# Altium PCB waffling60-SE.PcbDoc (part 1 of 2) (continued)
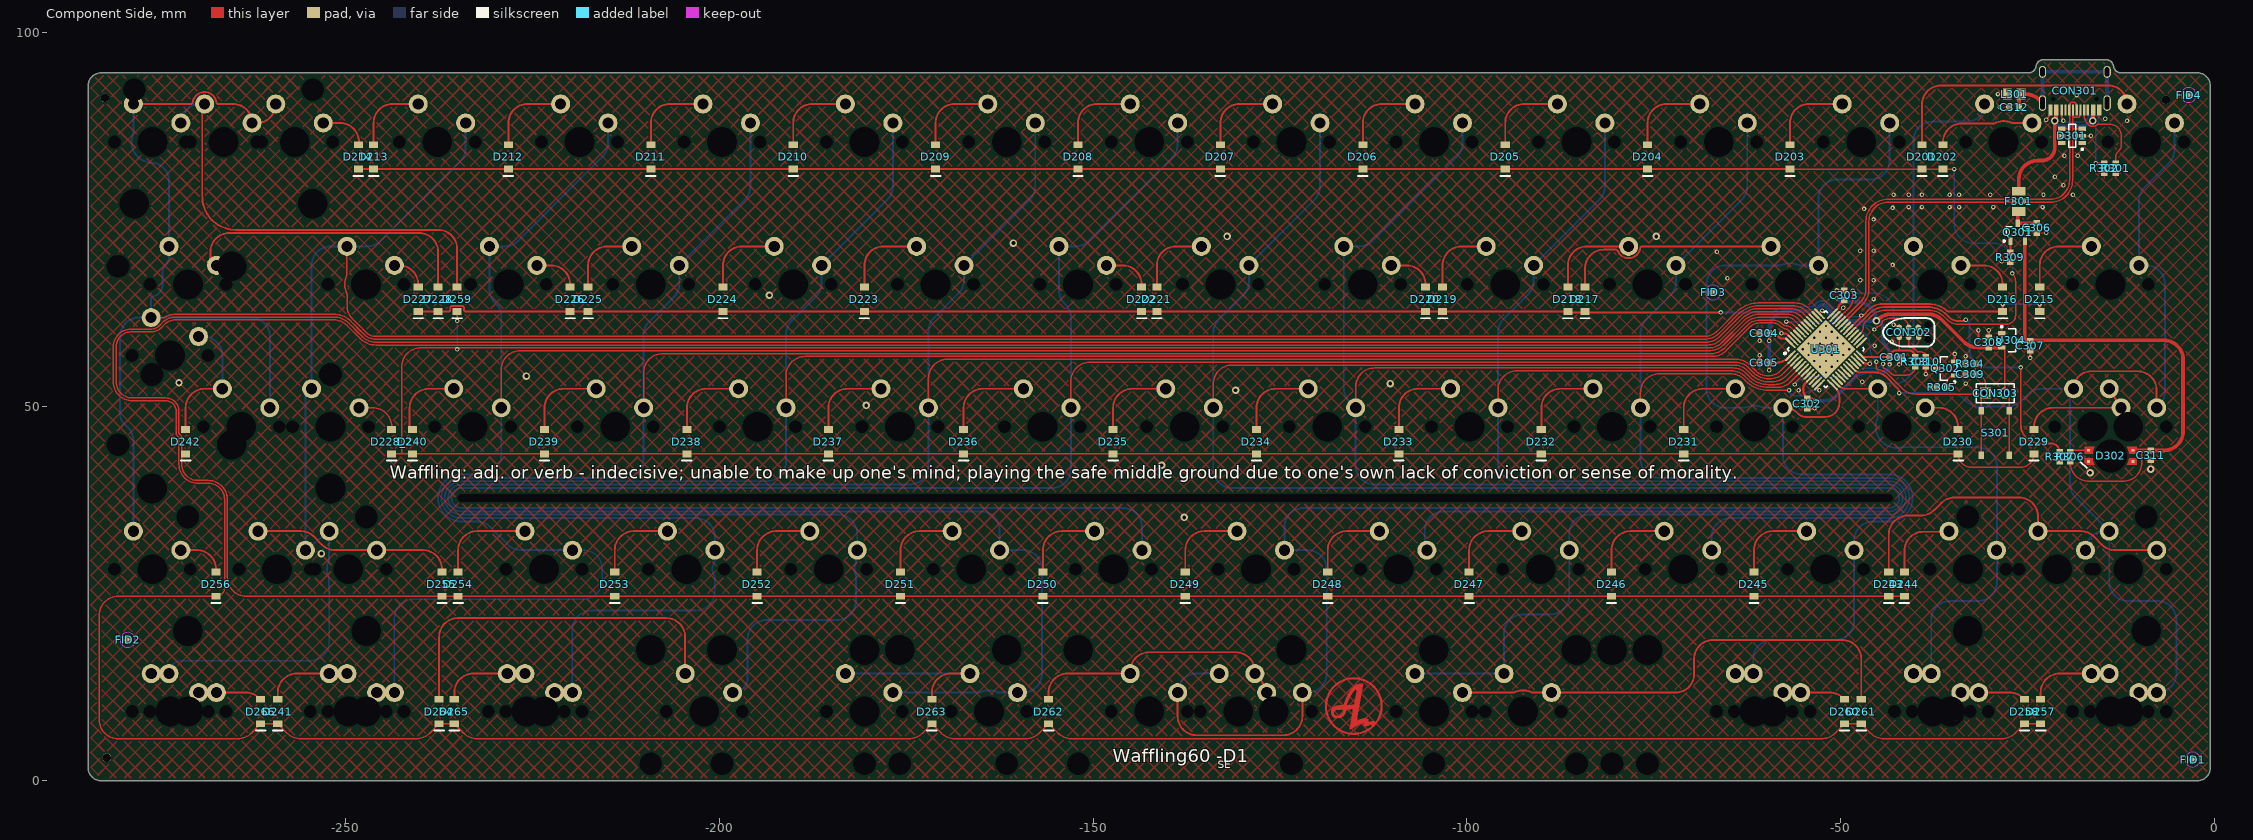
[diagram p0: Component Side view]
## Footprints (in the part's own frame and the unit in brackets; to place one, negate y for a bottom-side part, rotate by r counter-clockwise, add the part's x,y. Pads: shape width x height; smd on the part's side, far side on the other; paste and mask are expansions set on the pad) (continued)
  round 1 hole 3.988 unplated: ""(-4.763,0) ""(0,0)
  round 1 on Mech14: ""(-4.763,0) ""(0,0)
"MX-switch - Enter - Rotated Stab" [mm]
  round 2.54 hole 1.499 mask+0.102: 1(2.54,5.08) 1(5.72,12.07) 2(-3.81,2.54) 2(12.07,14.61)
  round 1.524 hole 3.988 unplated: ""(-11.938,-8.255) ""(1.275,-2.408) ""(1.275,21.468) ""(11.938,-8.255)
  round 1.524 hole 3.048 unplated: ""(-11.938,6.985) ""(11.938,6.985) ""(16.515,-2.408) ""(16.515,21.468)
  round 1 hole 1.702 unplated: ""(-5.08,0) ""(4.45,9.53) ""(5.08,0) ""(14.61,9.53)
  round 1 hole 3.988 unplated: ""(0,0) ""(9.53,9.53)
  round 1 on Mech14: ""(0,0) ""(9.53,9.53)
"MX-SWITCH - L SPLIT SPACE_V2" [mil]
  round 100 hole 59 mask+4: 1(525,-100) 2(275,-200)
  round 60 hole 157.01 unplated: ""(-95,-325)
  round 60 hole 120 unplated: ""(-95,275)
  round 39.37 hole 67.01 unplated: ""(175,0) ""(575,0)
  round 39.37 hole 157.01 unplated: ""(375,0)
  round 39.37 on Mech14: ""(375,0)
"MX-SWITCH - LEFT SHIFT" [mil]
  round 100 hole 59 mask+4: 1(-525,100) 1(100,200) 2(-275,200) 2(-150,100)
  round 39.37 hole 67.01 unplated: ""(-575,0) ""(-200,0) ""(-175,0) ""(200,0)
  round 60 hole 157.01 unplated: ""(-470,-325) ""(470,-325)
  round 60 hole 120 unplated: ""(-470,275) ""(470,275)
  round 39.37 hole 157.01 unplated: ""(-375,0) ""(0,0)
  round 39.37 on Mech14: ""(-375,0) ""(0,0)
"MX-SWITCH - R SPLIT SPACE_V2" [mil]
  round 100 hole 59 mask+4: 1(150,-100) 2(-100,-200)
  round 60 hole 157.01 unplated: ""(-470,-325) ""(470,-325)
  round 60 hole 120 unplated: ""(-470,275) ""(470,275)
  round 39.37 hole 67.01 unplated: ""(-200,0) ""(200,0)
  round 39.37 hole 157.01 unplated: ""(0,0)
  round 39.37 on Mech14: ""(0,0)
"MX-SWITCH - RIGHT SHIFT" [mil]
  round 100 hole 59 mask+4: 1(-525,100) 1(100,200) 2(-275,200) 2(-150,100)
  round 39.37 hole 67.01 unplated: ""(-575,0) ""(-200,0) ""(-175,0) ""(200,0)
  round 60 hole 157.01 unplated: ""(-470,-325) ""(470,-325)
  round 60 hole 120 unplated: ""(-470,275) ""(470,275)
  round 39.37 hole 157.01 unplated: ""(-375,0) ""(0,0)
  round 39.37 on Mech14: ""(-375,0) ""(0,0)
"MX-SWITCH - SPACE_V3" [mil]
  round 100 hole 59 mask+4: 1(-806.55,100) 1(-368.75,200) 1(-150,100) 2(-618.75,100) 2(-556.55,200) 2(100,200)
  round 60 hole 120 unplated: ""(-2437.4,-275) ""(-2250,-275) ""(1499.61,-275) ""(2250,-275)
  round 60 hole 157.01 unplated: ""(-2437.4,325) ""(-2250,325) ""(1499.61,325) ""(2250,325)
  round 39.37 hole 67.01 unplated: ""(-856.55,0) ""(-268.75,0) ""(-200,0) ""(200,0)
  round 39.37 hole 157.01 unplated: ""(-656.55,0) ""(-468.75,0) ""(0,0)
  round 39.37 on Mech14: ""(-656.55,0) ""(-468.75,0) ""(0,0)
"MX-switch - switched pol" [mm]
  round 2.54 hole 1.499 mask+0.102: 1(2.54,5.08) 2(-3.81,2.54)
  round 1 hole 1.702 unplated: ""(-5.08,0) ""(5.08,0)
  round 1 hole 3.988 unplated: ""(0,0)
"MX-SWITCH - SWITCHED POL" [mm]
  round 2.54 hole 1.499 mask+0.102: 1(2.54,5.08) 2(-3.81,2.54)
  round 1 hole 1.702 unplated: ""(-5.08,0) ""(5.08,0)
  round 1 hole 3.988 unplated: ""(0,0)
R0603[1608] [mm] "Chip Resistor, 2-Leads, Body 1,57x0,80mm, IPC Medium Density"
  rect 0.8x0.85 smd: 1(-0.65,0) 2(0.65,0)
  body extent -0.83,-0.43 0.82,0.43, height 0.5
"SK6812MINI-E - shaped" [mm]
  rect 0.4x0.4 smd: 1(3,0.75) 2(3,-0.75) 3(-3,-0.75) 4(-3,0.75)
  round 1 hole 4.4 unplated: ""(0,0)
  Component Side region: -3.5,0.304 -3.5,1.195 -2.157,1.195 -2.345,0.764 -2.447,0.304 -2.447,0.304 -2.449,0.304
  Component Side region: 2.447,0.304 2.345,0.764 2.157,1.195 2.157,1.195 3.5,1.195 3.5,0.304
  Component Side region: 2.157,-1.195 3.5,-1.195 3.5,-0.304 2.449,-0.304 2.447,-0.304 2.345,-0.764 2.157,-1.195
  Component Side region: -3.25,-1.195 -3.5,-0.945 -3.5,-0.304 -2.449,-0.304 -2.447,-0.304 -2.345,-0.764 -2.157,-1.195 -2.157,-1.195
  silkscreen extent -4.06,-1.65 -3.17,-0.76, body extent -2.94,-1.4 2.94,1.4, height 0.94
SOD-123 [mm]
  rect 0.91x1.22 smd: 1(1.635,0) 2(-1.635,0)
  silkscreen extent -2.54,-0.64 -2.54,0.63, body extent -1.87,-0.85 1.88,0.85, height 1.2
SOT-23-3 [mm] "3.3v regulator, used in Windsond S2 proto 1"
  rect 1x0.55 smd: 1(-1.2,0.95) 2(-1.2,-0.95) 3(1.2,0)
  silkscreen extent -1.32,-1.55 0.7,1.95, body extent -1.45,-1.5 1.1,1.5, height 1
SOT-23-6 [mm]
  rect 1x0.55 smd: 1(-1.375,0.95) 2(-1.375,0) 3(-1.375,-0.95) 4(1.375,-0.95) 5(1.375,0) 6(1.375,0.95)
  silkscreen extent -1.5,-1.55 0.46,1.92, body extent -1.37,-1.44 1.47,1.49, height 1.05
"Stab 10U" [mil]
  round 60 hole 157.01 unplated: ""(-2625,-325) ""(2625,-325)
  round 60 hole 120 unplated: ""(-2625,275) ""(2625,275)
  round 39.37 on Mech14: ""(0,0)
"STM32 - COMBO 7X7MM" [mm] "LQFP48, 7x7mm"
  oval 1.45x0.3 smd paste-5: 1(-4.225,2.75) 2(-4.225,2.25) 3(-4.225,1.75) 4(-4.225,1.25) 5(-4.225,0.75) 6(-4.225,0.25) 7(-4.225,-0.25) 8(-4.225,-0.75) 9(-4.225,-1.25) 10(-4.225,-1.75) 11(-4.225,-2.25) 12(-4.225,-2.75) 25(4.225,-2.75) 26(4.225,-2.25) 27(4.225,-1.75) 28(4.225,-1.25) 29(4.225,-0.75) 30(4.225,-0.25) 31(4.225,0.25) 32(4.225,0.75) 33(4.225,1.25) 34(4.225,1.75) 35(4.225,2.25) 36(4.225,2.75)
  oval 0.8x0.25 smd: 1(-3.4,2.75) 2(-3.4,2.25) 3(-3.4,1.75) 4(-3.4,1.25) 5(-3.4,0.75) 6(-3.4,0.25) 7(-3.4,-0.25) 8(-3.4,-0.75) 9(-3.4,-1.25) 10(-3.4,-1.75) 11(-3.4,-2.25) 12(-3.4,-2.75) 25(3.4,-2.75) 26(3.4,-2.25) 27(3.4,-1.75) 28(3.4,-1.25) 29(3.4,-0.75) 30(3.4,-0.25) 31(3.4,0.25) 32(3.4,0.75) 33(3.4,1.25) 34(3.4,1.75) 35(3.4,2.25) 36(3.4,2.75)
  oval 0.25x0.8 smd: 13(-2.75,-3.4) 14(-2.25,-3.4) 15(-1.75,-3.4) 16(-1.25,-3.4) 17(-0.75,-3.4) 18(-0.25,-3.4) 19(0.25,-3.4) 20(0.75,-3.4) 21(1.25,-3.4) 22(1.75,-3.4) 23(2.25,-3.4) 24(2.75,-3.4) 37(2.75,3.4) 38(2.25,3.4) 39(1.75,3.4) 40(1.25,3.4) 41(0.75,3.4) 42(0.25,3.4) 43(-0.25,3.4) 44(-0.75,3.4) 45(-1.25,3.4) 46(-1.75,3.4) 47(-2.25,3.4) 48(-2.75,3.4)
  oval 0.3x1.45 smd paste-5: 13(-2.75,-4.225) 14(-2.25,-4.225) 15(-1.75,-4.225) 16(-1.25,-4.225) 17(-0.75,-4.225) 18(-0.25,-4.225) 19(0.25,-4.225) 20(0.75,-4.225) 21(1.25,-4.225) 22(1.75,-4.225) 23(2.25,-4.225) 24(2.75,-4.225) 37(2.75,4.225) 38(2.25,4.225) 39(1.75,4.225) 40(1.25,4.225) 41(0.75,4.225) 42(0.25,4.225) 43(-0.25,4.225) 44(-0.75,4.225) 45(-1.25,4.225) 46(-1.75,4.225) 47(-2.25,4.225) 48(-2.75,4.225)
  rect 5.6x5.6 smd: 47(0,0)
  silkscreen extent -4.43,-3.65 3.65,3.65, body extent -3.52,-3.52 3.52,3.52, height 0.5
TC2030-IDC-NL [mm] "Tag-Connect 6-Pin with No Legs (PN# TC2030-IDC-NL)"
  round 0.9 hole 0.995 unplated: 0(-2.54,0) 0(2.54,-1.016) 0(2.54,1.016)
  round 0.79 smd paste-0.39: 1(-1.27,-0.635) 2(-1.27,0.635) 3(0,-0.635) 4(0,0.635) 5(1.35,-0.635) 6(1.27,0.635)
  silkscreen extent -3.43,-1.91 3.43,1.9
TYPE-C-31-M-12 [mm]
  rect 0.6x1.45 smd: A1B12(-3.25,0) A4B9(-2.45,0) B1A12(3.25,0) B4A9(2.45,0)
  rect 0.3x1.45 smd: A5(-1.25,0) A6(-0.25,0) A7(0.25,0) A8(1.25,0) B5(1.75,0) B6(0.75,0) B7(-0.75,0) B8(-1.75,0)
  oval 1x2.1 / inner oval 1x2.1 / far side oval 1.3x2.4 hole 0.6 slot 1.7 at 90 deg: S1(-4.32,-0.915) S1(4.32,-0.915)
  oval 1x1.6 / inner oval 1x1.6 / far side oval 1.3x2 hole 0.6 slot 1.2 at 90 deg: S1(-4.32,-5.095) S1(4.32,-5.095)
  round 0 hole 0.65 unplated: ""(-2.89,-1.445) ""(2.89,-1.445)
  body extent -4.47,-7.72 4.47,0.18, height 3.21
"XKB Switch" [mm] "XKB Enterprise TS-1187A-C-D-B"
  rect 1x0.75 smd: 1(-3,1.875) 1(3,1.875) 2(-3,-1.875) 2(3,-1.875)
  body extent -3.25,-2.55 3.25,2.55, height 2

## Part data
C301 C302 C303 C304 C305 C311 C312: library part Cap, "Capacitor", LCSC MFG=YAGEO, LCSC Part #=C14663, MRF.Part=CC0603KRX7R9BB104, Version="0603 imperial"
C306 C309: library part Cap, "Capacitor", LCSC MFG="Samsung Electro-Mechanics", LCSC Part #=C19666, MRF.Part=CL10A475KO8NNNC, Version="0603 imperial"
C307 C308: library part Cap, "Capacitor", LCSC MFG="Samsung Electro-Mechanics", LCSC Part #=C15849, MRF.Part=CL10A105KB8NNNC, Version="0603 imperial"
C310: library part Cap, "Capacitor", LCSC MFG="Samsung Electro-Mechanics", LCSC Part #=C1623, MRF.Part=CL10B474KA8NNNC, Version="0603 imperial"
CON301: LCSC MFG="Korean Hroparts Elec", LCSC Part #=C165948, MRF.Part=TYPE-C-31-M-12
CON302: library part "Header 3X2", "Header, 3-Pin, Dual row"
CON303: "Header, 2-Pin"
D201 D202 D203 D204 D205 D206 D207 D208 D209 D210 D211 D212 D213 D214 D215 D216 D217 D218 D219 D220 D221 D222 D223 D224 D225 D226 D227 D228 D228_2 D229 D230 D231 D232 D233 D234 D235 D236 D237 D238 D239 D240 D241 D242 D243 D244 D245 D246 D247 D248 D249 D250 D251 D252 D253 D254 D255 D256 D257 D258 D259 D260 D261 D262 D263 D264 D265 D266: "Default Diode", LCSC MFG=ST(Semtech), LCSC Part #=C81598, MRF.Part=1N4148W, Version=SOD-123
D301: LCSC MFG="ProTek Devices", LCSC Part #=C85364, MRF.Part=SRV05-4-P-T7
D302: LCSC MFG=TONYU, LCSC Part #=C524051, MRF.Part=DY-S352818/RGBC/6812-2T
F301: "Thermal Fuse", LCSC MFG="Shenzhen JDT Fuse", LCSC Part #=C135338, MRF.Part=ASMD1206-050
L301: LCSC MFG=Sunlord, LCSC Part #=C1015, MRF.Part=GZ2012D101TF, Version="0806 imperial"
Q301: "P-Channel Power MOSFET", LCSC MFG="Vishay Intertech", LCSC Part #=C10487, MRF.Part=SI2301CDS-T1-GE3, Version=SOT23-3
Q302: library part MOSFET-N, "N-Channel MOSFET", LCSC MFG="Changjiang Electronics Tech (CJ)", LCSC Part #=C8545, MRF.Part=2N7002
R301 R302: "Resistor", LCSC MFG="Uniroyal Elec", LCSC Part #=C23186, MRF.Part=0603WAF5101T5E, Version="0603 imperial"
R303 R304 R306 R309: "Resistor", LCSC MFG="Uniroyal Elec", LCSC Part #=C25804, MRF.Part=0603WAF1002T5E, Version="0603 imperial"
R305: "Resistor", LCSC MFG="Uniroyal Elec", LCSC Part #=C25803, MRF.Part=0603WAF1003T5E, Version="0603 imperial"
R307: "Resistor", LCSC MFG="UNI-ROYAL(Uniroyal Elec)", LCSC Part #=C23179, MRF.Part=0603WAF4700T5E, Version="0603 imperial"
S201 S202 S203 S204 S205 S206 S207 S208 S209 S210 S211 S212 S213 S214 S216 S217 S218 S219 S220 S221 S222 S223 S224 S225 S226 S227 S228 S228_2 S229 S230 S231 S232 S233 S234 S235 S236 S237 S238 S239 S240 S241 S242 S243 S244 S245 S246 S247 S248 S249 S250 S251 S252 S253 S254 S256 S257 S258 S259 S260 S261 S261_1 S262 S263 S263_1 S264 S265 S266 S269: library part SW-PB, "Switch"
S215: library part SW-PB, "TAB"
S301: "Switch", LCSC MFG="XKB Enterprise", LCSC Part #=C318888, MRF.Part=TS-1187A-C-D-B
U301: LCSC MFG=Geehy, LCSC Part #=C915660, MRF.Part=APM32F072CBT6
U304: library part "SOT23 LDO", LCSC MFG="Torex Semicon", LCSC Part #=C5446, MRF.Part=XC6206P332MR

## Free pads (board coordinates)
  round 1.152 hole 1.152 unplated paste+0.148 mask+0.148: ""(-282.194,91.313) ""(-281.94,3.048) ""(-6.477,91.059)
  round 0 hole 1 slot 192 at 0 deg unplated: ""(-139,37.79)

## Via types
v1: diameter 0.6, hole 0.3, Component Side to Bottom Layer, tented both sides, 88 vias
v2: diameter 0.6, hole 0.3, Component Side to Bottom Layer, tented bottom, 25 vias
v3: diameter 1, hole 0.5, Component Side to Bottom Layer, tented both sides, 15 vias
v4: diameter 1, hole 0.6, Component Side to Bottom Layer, tented both sides, 2 vias

## Nets (pads, with @x,y where several pads share a name; then routed paths per layer and width w, separated by ;. In a path a pad name is that pad's centre, name@x,y a point inside that pad or via, vN(x,y) a via of type N, cw(c..) or ccw(c..) an arc to the next point about the centre after c; other vN are vias at no path point)
BOOT0: C309.1 CON303.1 R304.1 S301.2 U301.44 | length 48.3
  Component Side w0.203: v1(-57.277,61.383) cw(c-57.277,60.075) -56.838,61.307 cw(c-57.277,60.075) -56.352,61 U301.44@-55.488,60.136 ; v1(-45.212,56.007) -45.212,55.185 ccw(c-45.009,55.186) -45.042,54.985 cw(c-45.466,52.306) -44.855,54.949 cw(c-45.466,52.306) -43.55,54.226 cw(c-45.466,52.306) -43.548,54.224 -41.757,52.433 ccw(c-39.961,54.229) -39.961,51.689 CON303.1@-30.978,51.689 ; R304.1@-31.989,55.753 C309.1@-31.989,54.356 cw(c-31.989,52.974) -30.607,52.974 CON303.1@-30.607,51.816 -30.734,51.689 CON303.1@-30.978,51.689 ; S301.2@-31.212,43.482 S301.2@-31.212,49.482 -31.212,51.211 cw(c-30.607,51.211) CON303.1@-30.978,51.689
  Bottom Layer w0.203: v1(-57.277,61.383) -51.265,61.383 cw(c-51.265,61.12) -51.186,61.371 cw(c-51.247,61.177) -51.127,61.341 ccw(c-48.739,64.565) -48.739,60.553 -48.598,60.553 cw(c-48.598,58.013) -46.058,58.013 -46.058,57.906 ccw(c-43.518,57.906) -45.314,56.109 v1(-45.212,56.007) ; -51.126,61.341 ccw(c-48.739,64.565) -50.02,60.763
col1: S201.2 S215.2 S229.1 S243.2 S257.1 U301.20 | length 147.8
  Component Side w0.254: -42.466,52.564 -43.837,53.935 ccw(c-45.466,52.306) -45.466,54.61 -47.498,54.61 cw(c-47.498,55.437) U301.20@-47.991,54.773 ; -42.465,52.563 cw(c-43.214,51.816) -42.164,51.95 cw(c-43.214,51.816) v1(-42.156,51.816) ; S229.1@-18.834,52.395 cw(c-16.492,52.395) -16.492,54.737 -10.261,54.737 cw(c-10.261,52.197) -7.721,52.197 S229.1@-7.721,49.855 ; U301.20@-47.991,54.773 cw(c-47.498,55.437) -48.083,54.852 U301.20@-48.452,55.222 -48.44,55.222 U301.20@-47.991,54.773
  Bottom Layer w0.254: v1@-42.164,51.816 v1(-42.156,51.816) -35.342,51.816 cw(c-35.342,49.276) -33.546,51.072 -33.256,50.782 ccw(c-31.46,52.578) -31.46,50.038 -27.595,50.038 ccw(c-27.595,52.578) -25.799,50.782 -24.93,51.651 cw(c-23.134,49.855) -23.134,52.395 S229.1@-18.834,52.395 ccw(c-18.834,51.925) -19.304,51.925 -19.304,39.63 ccw(c-16.764,39.63) -18.56,37.834 S243.2@-14.071,33.345 ; S243.2@-17.246,30.805 cw(c-14.706,30.805) -14.706,33.345 S243.2@-14.071,33.345 ; S257.1@-7.721,11.755 -7.62,11.755 ccw(c-7.62,14.295) -5.08,14.295 -5.08,21.463 ccw(c-7.62,21.463) -7.62,24.003 -11.531,24.003 cw(c-11.531,26.543) -14.071,26.543 S243.2@-14.071,33.345 ; S229.1@-7.721,49.855 -7.348,50.228 ccw(c-9.144,52.024) -6.604,52.024 -6.604,66.365 ccw(c-9.144,66.365) -9.144,68.905 S215.2@-10.102,68.905 -10.102,77.491 cw(c-7.562,77.491) -9.359,79.287 -6.084,82.562 ccw(c-7.88,84.358) -5.34,84.358 S201.2@-5.34,87.955
col2: S202.2 S216.2 S230.2 S244.1 S258.2 U301.14 | length 113.6
  Component Side w0.254: U301.14@-50.573,53.1 -50.253,52.78 U301.14@-50.23,52.803 ; S230.2@-45.027,52.395 -49.292,52.395 cw(c-49.292,53.638) -50.074,52.672 ccw(c-50.233,52.474) -50.08,52.676 -50.107,52.689 ccw(c-50.214,52.459) -50.155,52.705 -50.167,52.694 U301.14@-50.171,52.759 ; U301.14@-50.23,52.803 cw(c-50.35,52.579) U301.14@-50.171,52.759 ; U301.14@-50.23,52.803 cw(c-50.35,52.579) U301.14@-50.171,52.759
  Bottom Layer w0.254: S258.2@-37.883,14.295 -37.883,21.463 cw(c-35.343,21.463) -35.343,24.003 -31.623,24.003 ccw(c-31.623,26.543) -29.083,26.543 -29.083,42.008 ccw(c-31.623,42.008) -31.623,44.548 ccw(c-31.643,44.548) -31.643,44.568 -41.825,44.568 cw(c-42.487,47.315) -45.051,48.504 ccw(c-45.281,48.611) -45.027,48.612 S230.2@-45.027,52.395 cw(c-44.337,52.395) -44.337,53.086 -42.805,53.086 ccw(c-42.805,55.626) -40.265,55.626 S216.2@-40.265,71.445 -40.265,85.598 cw(c-37.725,85.598) -37.725,88.138 -33.097,88.138 ccw(c-33.097,90.495) S202.2@-30.74,90.495
col3: S203.2 S217.2 S231.2 S245.2 S260.2 U301.13 | length 147.3
  Component Side w0.254: S231.2@-57.727,49.855 -57.511,49.855 cw(c-57.511,47.315) -55.715,49.111 -55.626,49.022 ccw(c-54.706,49.942) -54.875,48.652 ccw(c-54.706,49.942) -54.706,48.641 -52.07,48.641 ccw(c-52.07,50.546) -50.165,50.546 -50.165,51.265 ccw(c-51.902,51.265) -50.672,52.492 ccw(c-51.902,51.265) -50.674,52.494 U301.13@-50.927,52.747
  Bottom Layer w0.254: S260.2@-61.696,14.295 -61.696,16.256 cw(c-59.156,16.256) -59.156,18.796 -50.742,18.796 ccw(c-50.742,21.336) -48.202,21.336 S245.2@-48.202,30.805 -48.202,32.102 cw(c-45.662,32.102) -45.662,34.642 -43.5,34.642 ccw(c-43.5,37.79) -43.5,40.938 -55.187,40.938 cw(c-55.187,43.478) -57.727,43.478 S231.2@-57.727,49.855 -60.242,49.855 cw(c-60.242,50.109) -60.349,49.879 ccw(c-61.537,47.315) -62.726,49.879 cw(c-62.833,50.109) -62.833,49.855 -65.405,49.855 cw(c-65.405,52.395) -67.945,52.395 -67.945,66.365 cw(c-65.405,66.365) -65.405,68.905 -61.849,68.905 -58.071,68.905 ccw(c-58.071,69.159) -57.964,68.929 cw(c-56.775,66.365) -55.586,68.929 ccw(c-55.479,69.159) -55.479,68.905 S217.2@-52.965,68.905 -52.965,77.851 cw(c-50.425,77.851) -50.425,80.391 -45.98,80.391 ccw(c-45.98,82.931) -43.44,82.931 S203.2@-43.44,87.955
col4: S204.2 S218.2 S232.2 S246.2 U301.12 | length 150.1
  Component Side w0.203: S232.2@-76.777,49.855 -76.777,51.877 cw(c-74.237,51.877) -76.622,52.752 cw(c-74.237,51.877) -74.237,54.417 -64.74,54.417 cw(c-64.74,51.877) -62.944,53.673 -62.801,53.53 -62.724,53.453 ccw(c-59.696,56.475) -62.715,53.444 ccw(c-59.696,56.475) -59.696,52.197 v1@-56.896,52.197 ; U301.12@-53.013,52.747 -53.166,52.594 -53.166,52.531 v1(-52.832,52.197)
  Bottom Layer w0.203: v1(-56.896,52.205) ccw(c-56.126,52.205) -56.126,51.435 -55.304,51.435 ccw(c-55.304,52.192) -54.769,51.657 -54.61,51.816 cw(c-53.69,50.896) -53.721,52.197 cw(c-53.69,50.896) -53.69,52.197 v1(-52.832,52.197)
  Bottom Layer w0.254: S246.2@-67.252,30.805 -67.252,32.556 cw(c-64.712,32.556) -64.712,35.096 -43.5,35.096 ccw(c-43.5,37.79) -43.5,40.484 -74.237,40.484 cw(c-74.237,43.024) -76.777,43.024 S232.2@-76.777,49.855 -76.777,59.838 cw(c-74.237,59.838) -76.034,61.634 -72.759,64.909 ccw(c-74.555,66.705) -72.015,66.705 S218.2@-72.015,68.905 -63.234,77.686 ccw(c-65.03,79.482) -62.49,79.482 S204.2@-62.49,87.955
col5: S205.2 S219.2 S233.2 S247.2 S261.2 S261_1.2 U301.6 | length 239.2
  Component Side w0.203: S233.2@-95.827,49.855 -95.827,52.26 cw(c-93.287,52.26) -95.722,52.985 cw(c-93.287,52.26) -93.287,54.8 -64.581,54.8 cw(c-64.581,52.26) -62.785,54.056 -62.451,53.722 ccw(c-59.696,56.475) -62.445,53.716 ccw(c-59.696,56.475) -59.696,52.58 -58.474,52.58 ccw(c-58.474,55.12) -56.678,53.324 U301.6@-55.134,54.868
  Bottom Layer w0.254: S261_1.2@-106.939,14.295 S261.2@-95.033,14.295 -95.033,19.685 cw(c-92.493,19.685) -92.493,22.225 -88.842,22.225 ccw(c-88.842,24.765) -86.302,24.765 S247.2@-86.302,30.805 -86.302,33.01 cw(c-83.762,33.01) -83.762,35.55 -43.5,35.55 ccw(c-43.5,37.79) -43.5,40.03 -93.287,40.03 cw(c-93.287,42.57) -95.827,42.57 S233.2@-95.827,49.855 -95.827,59.965 cw(c-93.287,59.965) -95.084,61.761 -91.809,65.036 ccw(c-93.605,66.832) -91.065,66.832 S219.2@-91.065,68.905 -82.284,77.686 ccw(c-84.08,79.482) -81.54,79.482 S205.2@-81.54,87.955
col6: S206.2 S220.2 S234.2 S248.2 U301.5 | length 266.5
  Component Side w0.203: S234.2@-114.877,49.855 -114.877,52.378 ; U301.5@-55.488,55.222 -57.002,53.707 cw(c-58.798,55.503) -58.798,52.963 -59.696,52.963 cw(c-59.696,56.475) -62.175,53.988 cw(c-59.696,56.475) -62.18,53.993 -62.26,54.072 -62.626,54.439 ccw(c-64.422,52.643) -64.422,55.183 -112.337,55.183 ccw(c-112.337,52.643) -114.337,54.209 ; -114.877,52.378 cw(c-111.502,52.378) -114.337,54.209 ; -114.877,52.378 -114.877,52.643 cw(c-112.337,52.643) -114.337,54.209
  Bottom Layer w0.254: S248.2@-105.352,30.805 cw(c-105.352,31.752) -105.63,30.847 -105.63,33.464 cw(c-103.09,33.464) -103.09,36.004 -43.5,36.004 ccw(c-43.5,37.79) -43.5,39.576 -112.337,39.576 cw(c-112.337,42.116) -114.877,42.116 S234.2@-114.877,49.855 -115.721,50.699 cw(c-113.925,52.495) -116.465,52.495 S220.2@-116.465,71.445 -114.392,71.445 ccw(c-114.392,73.985) -112.596,72.189 -101.334,83.451 ccw(c-103.13,85.247) -100.59,85.247 S206.2@-100.59,87.955
col7: S207.2 S221.2 S235.2 S249.2 S262.1 U301.4 | length 376.4
  Component Side w0.203: S235.2@-133.927,49.855 -133.927,53.026 cw(c-131.387,53.026) -133.381,54.6 cw(c-131.387,53.026) -131.387,55.566 -64.264,55.566 cw(c-64.264,53.026) -62.468,54.822 -62.243,54.598 ccw(c-62.098,54.741) -62.242,54.597 -61.909,54.264 ccw(c-59.696,56.475) -61.905,54.26 ccw(c-59.696,56.475) -59.696,53.347 -59.122,53.347 ccw(c-59.122,55.887) -57.326,54.091 U301.4@-55.841,55.575
  Component Side w0.254: S262.1@-138.689,11.755 -138.689,8.582 ccw(c-136.149,8.582) -136.149,6.042 -124.553,6.042 ccw(c-124.553,8.582) -124.552,6.042 ccw(c-124.553,8.582) -122.013,8.582 S262.1@-122.013,11.755 ; S262.1@-133.443,14.295 S262.1@-133.443,14.605
  Bottom Layer w0.254: S262.1@-138.689,11.755 cw(c-136.149,11.755) -136.149,14.295 -133.443,14.295 S262.1@-133.443,14.351 ; S262.1@-122.013,11.755 -121.285,11.755 ccw(c-121.285,14.295) -118.745,14.295 -118.745,28.265 ccw(c-121.285,28.265) -121.285,30.805 S249.2@-124.402,30.805 -124.402,33.918 cw(c-121.862,33.918) -121.862,36.458 -43.5,36.458 ccw(c-43.5,37.79) -43.5,39.122 -131.387,39.122 cw(c-131.387,41.662) -133.927,41.662 S235.2@-133.927,49.855 -133.927,59.838 cw(c-131.387,59.838) -133.184,61.634 -129.909,64.909 ccw(c-131.705,66.705) -129.165,66.705 S221.2@-129.165,68.905 -120.384,77.686 ccw(c-122.18,79.482) -119.64,79.482 S207.2@-119.64,87.955
col8: S208.2 S222.2 S236.2 S250.2 U301.3 | length 341
  Component Side w0.203: S236.2@-152.977,49.855 -152.977,53.41 cw(c-150.437,53.41) -152.12,55.312 cw(c-150.437,53.41) -150.437,55.95 -64.105,55.95 cw(c-64.105,53.41) -62.309,55.206 -61.972,54.868 -61.639,54.536 ccw(c-59.696,56.475) -61.635,54.532 ccw(c-59.696,56.475) -59.696,53.73 -59.446,53.73 ccw(c-59.446,56.27) -57.65,54.474 U301.3@-56.195,55.929
  Bottom Layer w0.254: S250.2@-143.452,30.805 -143.452,33.918 ccw(c-145.992,33.918) -145.992,36.458 -234.5,36.458 cw(c-234.5,37.79) -234.5,39.122 -155.517,39.122 ccw(c-155.517,41.662) -152.977,41.662 S236.2@-152.977,49.855 -152.977,61.882 ccw(c-155.517,61.882) -153.721,63.678 -153.821,63.778 cw(c-152.025,65.574) -154.565,65.574 S222.2@-154.565,71.445 -152.365,71.445 ccw(c-152.365,73.985) -150.569,72.189 -139.434,83.324 ccw(c-141.23,85.12) -138.69,85.12 S208.2@-138.69,87.955
col9: S209.2 S223.2 S237.2 S251.2 S263.1 S263_1.1 U301.2 | length 365.6
  Component Side w0.203: S237.2@-172.027,49.855 -172.027,53.722 ; -169.901,56.333 ccw(c-169.361,53.722) -170.779,55.98 ccw(c-169.361,53.722) -172.027,53.722 ; -61.366,54.805 -62.15,55.589 ccw(c-63.946,53.793) -63.946,56.333 -169.487,56.333 ccw(c-169.487,53.793) -170.779,55.98 ccw(c-169.487,53.793) -172.027,53.793 -172.027,53.722 ; -61.365,54.804 ccw(c-59.696,56.475) -59.696,54.113 ccw(c-59.696,56.475) -58.027,54.804 ; -58.026,54.805 U301.2@-56.549,56.282
  Bottom Layer w0.254: S263_1.1@-176.789,11.755 -165.225,11.755 ccw(c-165.226,12.009) -165.12,11.778 cw(c-163.931,9.215) -162.741,11.778 ccw(c-162.635,12.009) -162.636,11.755 S263.1@-160.121,11.755 -159.385,11.755 ccw(c-159.385,14.295) -156.845,14.295 -156.845,28.265 ccw(c-159.385,28.265) -159.385,30.805 S251.2@-162.502,30.805 -162.502,33.464 ccw(c-165.042,33.464) -165.042,36.004 -234.5,36.004 cw(c-234.5,37.79) -234.5,39.576 -174.567,39.576 ccw(c-174.567,42.116) -172.027,42.116 S237.2@-172.027,49.855 -172.027,60.092 cw(c-169.487,60.092) -171.284,61.888 -168.009,65.163 ccw(c-169.805,66.959) -167.265,66.959 S223.2@-167.265,68.905 -158.484,77.686 ccw(c-160.28,79.482) -157.74,79.482 S209.2@-157.74,87.955
col10: S210.2 S224.2 S238.2 S252.2 S264.2 U301.46 | length 335
  Component Side w0.203: S238.2@-191.077,49.855 -191.077,54.176 cw(c-188.537,54.176) -188.537,56.716 -67.162,56.716 ccw(c-67.162,59.256) -65.366,57.46 -62.188,60.637 ; -62.188,60.638 cw(c-60.833,59.282) -60.833,61.199 -59.051,61.199 cw(c-59.051,59.867) -58.109,60.809 cw(c-59.051,59.867) -58.105,60.805 ccw(c-57.169,61.747) -57.852,60.608 cw(c-57.957,60.434) -57.839,60.599 ccw(c-57.277,61.383) -57.517,60.449 cw(c-57.569,60.252) -57.452,60.419 cw(c-57.452,59.773) -56.996,60.23 U301.46@-56.195,59.429
  Bottom Layer w0.254: S264.2@-198.221,11.755 ccw(c-198.221,13.761) -196.215,13.761 -196.215,18.923 cw(c-193.675,18.923) -193.675,21.463 -184.277,21.463 ccw(c-184.277,24.003) -181.737,24.003 -181.737,27.443 ccw(c-181.991,27.442) -181.762,27.551 cw(c-180.282,28.265) -181.762,28.979 ccw(c-181.991,29.088) -181.737,29.087 -181.737,30.561 cw(c-181.483,30.561) -181.553,30.805 -181.552,33.01 ccw(c-184.092,33.01) -184.092,35.55 -234.5,35.55 cw(c-234.5,37.79) -234.5,40.03 -193.617,40.03 ccw(c-193.617,42.57) -191.077,42.57 S238.2@-191.077,49.855 -191.077,59.711 cw(c-188.537,59.711) -190.334,61.507 -187.059,64.782 ccw(c-188.855,66.578) -186.315,66.578 S224.2@-186.315,68.905 -177.534,77.686 ccw(c-179.33,79.482) -176.79,79.482 S210.2@-176.79,87.955
col11: S211.2 S225.2 S239.2 S253.2 S265.1 U301.45 | length 320.7
  Component Side w0.203: S239.2@-210.127,49.855 -210.127,54.559 cw(c-207.587,54.559) -209.827,55.758 cw(c-207.587,54.559) -207.587,57.099 -187.325,57.099 -69.342,57.099 -67.32,57.099 ccw(c-67.32,59.639) -65.524,57.843 -62.461,60.907 cw(c-60.833,59.282) -62.457,60.91 cw(c-60.833,59.282) -60.833,61.582 -59.051,61.582 cw(c-59.051,59.867) -57.839,61.081 cw(c-59.051,59.867) -57.837,61.079 ccw(c-57.169,61.747) -57.644,60.93 cw(c-57.746,60.754) -57.625,60.917 ccw(c-57.277,61.383) -57.277,60.802 ccw(c-57.277,61.383) -57.24,60.803 cw(c-57.228,60.6) -57.218,60.803 ccw(c-57.169,61.747) -57.169,60.802 cw(c-57.169,60.058) -56.643,60.584 U301.45@-55.841,59.783
  Bottom Layer w0.203: S265.1@-219.652,11.755 -219.652,20.193 cw(c-217.112,20.193) -217.112,22.733 -203.142,22.733 ccw(c-203.142,25.273) -200.602,25.273 -200.602,27.196 ccw(c-200.805,27.195) -200.64,27.314 cw(c-199.332,28.265) -200.64,29.216 ccw(c-200.805,29.335) -200.602,29.334 S253.2@-200.602,30.805
  Bottom Layer w0.254: S253.2@-200.602,30.805 -200.602,32.556 ccw(c-203.142,32.556) -203.142,35.096 -234.5,35.096 cw(c-234.5,37.79) -234.5,40.484 -212.667,40.484 ccw(c-212.667,43.024) -210.127,43.024 S239.2@-210.127,49.855 -210.127,59.584 cw(c-207.587,59.584) -209.384,61.38 -206.109,64.655 ccw(c-207.905,66.451) -205.365,66.451 S225.2@-205.365,68.905 -196.584,77.686 ccw(c-198.38,79.482) -195.84,79.482 S211.2@-195.84,87.955
col12: S212.2 S226.2 S240.2 S241.1 S254.2 U301.43 | length 316.4
  Component Side w0.203: S240.2@-229.177,49.855 -229.177,54.942 cw(c-226.637,54.942) -228.503,56.666 cw(c-226.637,54.942) -226.637,57.482 -188.087,57.482 -69.596,57.482 -67.638,57.482 ccw(c-67.638,60.406) -65.572,58.337 ccw(c-67.638,60.406) -65.57,58.34 -62.733,61.177 cw(c-60.833,59.282) -62.727,61.182 cw(c-60.833,59.282) -60.833,61.965 -57.118,61.965 cw(c-57.118,60.738) -56.25,61.606 U301.43@-55.134,60.49
  Bottom Layer w0.203: S241.1@-243.464,11.755 -243.464,21.717 cw(c-240.924,21.717) -240.924,24.257 -218.186,24.257 ccw(c-218.186,26.797) -215.646,26.797 -215.646,28.265 ccw(c-218.186,28.265) -218.186,30.805 S254.2@-219.652,30.805
  Bottom Layer w0.254: S254.2@-219.652,30.805 -226.476,30.805 cw(c-226.476,33.345) -228.272,31.549 -230.621,33.898 ccw(c-232.417,32.102) -232.417,34.642 -234.5,34.642 cw(c-234.5,37.79) -234.5,40.938 -231.717,40.938 ccw(c-231.717,43.478) -229.177,43.478 S240.2@-229.177,49.855 -229.177,62.262 ccw(c-231.108,62.262) -229.743,63.627 -230.021,63.905 cw(c-228.225,65.701) -230.765,65.701 S226.2@-230.765,71.445 -228.692,71.445 ccw(c-228.692,73.985) -226.896,72.189 -215.634,83.451 ccw(c-217.43,85.247) -214.89,85.247 S212.2@-214.89,87.955
col13: S213.2 S227.2 S228_2.2 S256.2 S266.2 U301.38 | length 321.9
  Component Side w0.203: S227.2@-249.815,71.445 -249.815,67.674 cw(c-250.018,67.675) -249.834,67.588 ccw(c-247.275,66.365) -250.049,66.956 ccw(c-247.275,66.365) -250.049,65.774 ccw(c-247.275,66.365) -249.829,65.13 cw(c-250.012,65.043) -249.809,65.044 -249.809,63.545 ccw(c-247.269,63.545) -249.065,61.749 -248.695,61.379 -248.473,61.156 -248.47,61.154 -248.027,60.71 cw(c-248.298,60.439) -248.025,60.709 -247.434,60.118 -247.237,59.921 ccw(c-245.98,61.172) -245.98,59.398 -68.273,59.398 ccw(c-68.273,61.938) -66.477,60.142 -64.092,62.527 cw(c-60.833,59.282) -64.078,62.541 cw(c-60.833,59.282) -62.871,63.405 ccw(c-62.962,63.586) -62.864,63.409 cw(c-61.057,60.191) -61.057,63.881 -56.042,63.881 cw(c-56.042,61.341) -54.246,63.137 U301.38@-53.367,62.257
  Component Side w0.254: S227.2@-249.815,71.445 cw(c-249.815,71.058) S227.2@-249.428,71.058
  Bottom Layer w0.203: S266.2@-273.627,14.295 cw(c-271.92,14.295) -271.92,16.002 -254.735,16.002 ccw(c-254.735,18.542) -252.195,18.542 -252.195,25.654
  Bottom Layer w0.254: -252.195,25.654 -252.195,26.968 ccw(c-252.449,26.969) -252.219,27.076 cw(c-249.655,28.265) -252.219,29.454 ccw(c-252.449,29.561) -252.195,29.562 S256.2@-252.195,33.345 S256.2@-255.37,30.805 -255.37,51.577 cw(c-254.552,51.577) S228_2.2@-254.552,52.395 -254.552,68.905 cw(c-252.012,68.905) -252.012,71.445 S227.2@-249.815,71.445 -247.107,71.445 ccw(c-247.107,73.985) -245.311,72.189 -234.684,82.816 ccw(c-236.48,84.612) -233.94,84.612 S213.2@-233.94,87.955